# Altium PCB PCB.PcbDoc (part 1 of 4) (continued)
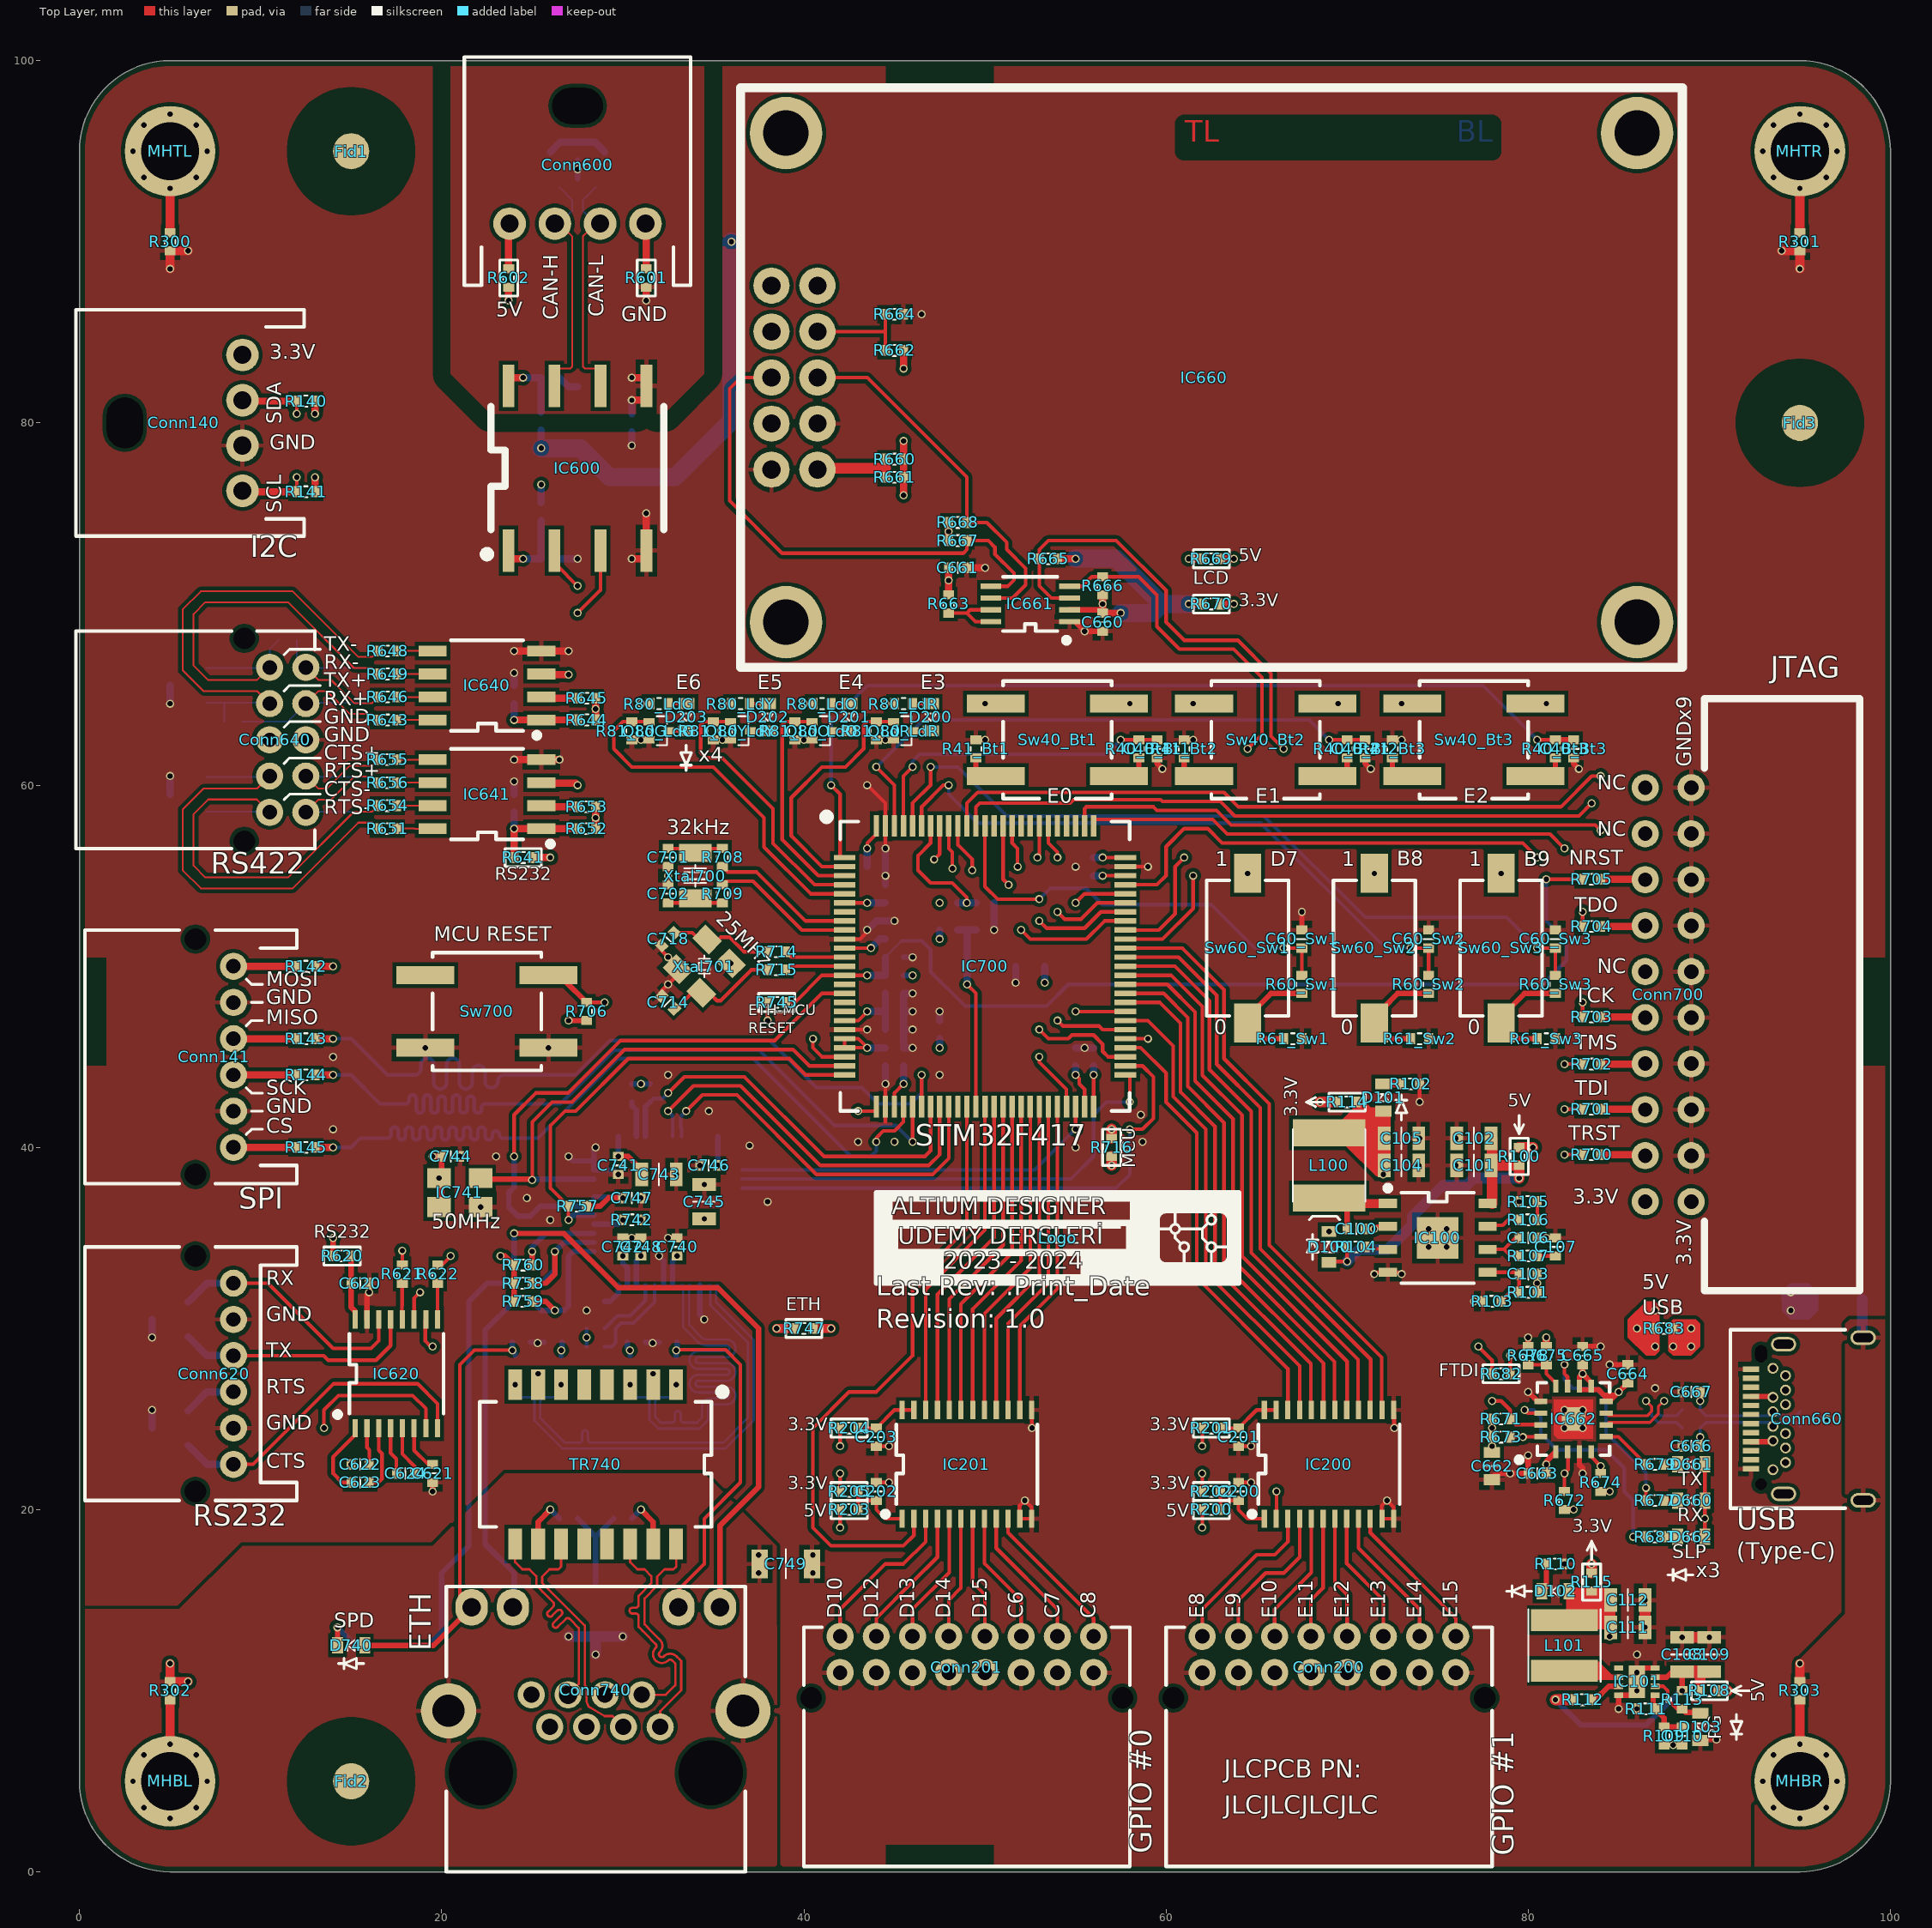
[diagram p0: Top Layer view]
## Components (designator, comment, footprint, x,y, rotation, side; value= is the part's Value field where it differs from the comment) (continued)
C712 "Capacitor_Ceramic" Capacitor_Ceramic_M1005_I0402 45,45.5 r0 bottom value=100nF
C713 "Capacitor_Ceramic" Capacitor_Ceramic_M1005_I0402 45,46.5 r0 bottom value=100nF
C714 "Capacitor_Ceramic" Capacitor_Ceramic_M1005_I0402 32.5,48 r135 top value=16pF
C715 "Capacitor_Ceramic" Capacitor_Ceramic_M1005_I0402 44.5,54 r90 bottom value=100nF
C716 "Capacitor_Ceramic" Capacitor_Ceramic_M1005_I0402 55,45 r90 bottom value=2.2uF
C717 "Capacitor_Ceramic" Capacitor_Ceramic_M1005_I0402 55.5,55 r180 bottom value=2.2uF
C718 "Capacitor_Ceramic" Capacitor_Ceramic_M1005_I0402 32.5,51.5 r225 top value=16pF
C740 "Capacitor_Ceramic" Capacitor_Ceramic_M1005_I0402 33,34.5 r90 top value=100nF
C741 "Capacitor_Ceramic" Capacitor_Ceramic_M1005_I0402 29.75,39 r270 top value=100nF
C742 "Capacitor_Ceramic" Capacitor_Ceramic_M1005_I0402 30,34.5 r90 top value=100nF
C743 "Capacitor_Ceramic" Capacitor_Ceramic_M2012_I0805 32,38.5 r0 top value=10uF
C744 "Capacitor_Ceramic" Capacitor_Ceramic_M1005_I0402 20.5,39.5 r0 top value=100nF
C745 "Capacitor_Ceramic" Capacitor_Ceramic_M2012_I0805 34.5,37 r90 top value=10uF
C746 "Capacitor_Ceramic" Capacitor_Ceramic_M1005_I0402 34.75,39 r180 top value=100nF
C747 "Capacitor_Ceramic" Capacitor_Ceramic_M1005_I0402 30.5,37.2 r0 top value=100nF
C748 "Capacitor_Ceramic" Capacitor_Ceramic_M1005_I0402 31,34.5 r90 top value=100nF
C749 "Capacitor_Ceramic" Capacitor_Ceramic_M3216_I1206 39,17 r180 top value=1nF
C750 "Capacitor_Ceramic" Capacitor_Ceramic_M1005_I0402 32.5,29.25 r0 bottom value=100nF
C751 "Capacitor_Ceramic" Capacitor_Ceramic_M3216_I1206 28.5,14.5 r270 bottom value=1nF
C752 "Capacitor_Ceramic" Capacitor_Ceramic_M1005_I0402 24.4,29.25 r0 bottom value=100nF
C753 "Capacitor_Ceramic" Capacitor_Ceramic_M1005_I0402 30.8,29.25 r0 bottom value=100nF
C754 "Capacitor_Ceramic" Capacitor_Ceramic_M1005_I0402 26.15,29.25 r0 bottom value=100nF
Conn140 "Connector - 4P" "Connector, S04B-XASK-1" 9,80 r90 top locked
Conn141 "Connector - 6P" "Connector, S06B-PASK-2" 8.5,45 r90 top
Conn200 "Connector - 16P" "Connector, S16B-PADSS-1" 69,12 r180 top locked
Conn201 "Connector - 16P" "Connector, S16B-PADSS-1" 49,12 r180 top locked
Conn600 "Connector - 4P" "Connector, S04B-XASK-1" 27.5,91 r0 top locked
Conn620 "Connector - 6P" "Connector, S06B-PASK-2" 8.5,27.5 r90 top
Conn640 "Connector - 10P" "Connector, S10B-PADSS-1" 11.5,62.5 r90 top locked
Conn660 "GCT, USB4056" "GCT, USB4056" 98.5,25 r90 top
Conn700 "Connector - 20P" "Connector - Omron, XG4C-2034" 87.73,48.43 r90 top locked
Conn740 "RJ45 - Amphenol, RJHSE-x38x-A1" "RJ45 - Amphenol, RJHSE-x38x-A1" 28.508,8.889 r0 top locked
D100 "Diode_Schottky" Diode_SOD-523_SC-79 69,34.5 r90 top
D101 "Diode_Led" Diode_Smd_M1608_I0603_Green-Yellow 72,42.75 r90 top
D102 "Diode_Led" Diode_Smd_M1608_I0603_Green-Yellow 81.5,15.5 r180 top
D103 "Diode_Led" Diode_Smd_M1608_I0603_Green-Yellow 89.5,8 r270 top
D200 "Diode_Led" Diode_Smd_M1608_I0603_Red 47,63.75 r270 top
D201 "Diode_Led" Diode_Smd_M1608_I0603_Orange1 42.5,63.75 r270 top
D202 "Diode_Led" Diode_Smd_M1608_I0603_Yellow 38,63.75 r270 top
D203 "Diode_Led" Diode_Smd_M1608_I0603_Green-Yellow 33.5,63.75 r270 top
D600 "Diode_Tvs_2P_Common_Anode" Diode_SOT-723_2P_Common_Anode_Type_1 27.5,93 r0 bottom
D660 "Diode_Led" Diode_Smd_M1608_I0603_Green-Yellow 89,20.5 r180 top
D661 "Diode_Led" Diode_Smd_M1608_I0603_Orange1 89,22.5 r180 top
D662 "Diode_Led" Diode_Smd_M1608_I0603_Red 89,18.5 r180 top
D663 "Diode_Tvs_2P_Common_Anode" Diode_SOT-723_2P_Common_Anode_Type_1 95.5,25 r270 bottom
D740 "Diode_Led" Diode_Smd_M1608_I0603_Orange1 15,12.5 r180 top
Fid1 "Fiducial" "Fiducial - 2mm, 5mm" 15,95 r0 top
Fid2 "Fiducial" "Fiducial - 2mm, 5mm" 15,5 r0 top
Fid3 "Fiducial" "Fiducial - 2mm, 5mm" 95,80 r0 top
Housing300 "Housing" "Housing, PAP-06V-S" 28,108 r180 top
Housing301 "Housing" "Housing, PADP-16V-1-S" 50,-13 r180 top
Housing302 "Housing" "Housing, PADP-16V-1-S" 72,-13 r180 top
Housing303 "Housing" "Housing, PADP-10V-1-S" -12,62 r270 top
Housing304 "Housing" "Housing, PAP-06V-S" -11,28 r270 top
Housing305 "Housing" "Housing, PAP-06V-S" -12,81 r270 top
Housing306 "Housing" "Housing, PAP-06V-S" -11,46 r270 top
IC100 "Richtek, RT2862xSP" "Richtek, RT2862xSP, SOP-8" 75,35 r0 top
IC101 "Diodes, AP3441" "DFN-8, 2mm x 2mm, 0.5mm" 86,10.5 r180 top
IC200 "Nexperia, 74LVC4245A" TSSOP-24 69,22.5 r90 top
IC201 "Nexperia, 74LVC4245A" TSSOP-24 49,22.5 r90 top
IC600 "CAN - Texas, ISO1050DUB" "DIP-8, Gull Wing" 27.5,77.5 r90 top locked
IC620 "RS232 - Texas, TRS3232IPWR" TSSOP-16 17.5,27.5 r90 top
IC640 "RS422 - Texas, SN65HVD30D" "SOIC-8, NB" 22.5,65.5 r180 top
IC641 "RS422 - Texas, SN65HVD30D" "SOIC-8, NB" 22.5,59.5 r180 top
IC660 "Orient, AMC0802BR-B-B6WTDW-I2C" "Orient, AMC0802BR-B-B6WTDW-I2C" 88.51,98.5 r0 top locked
IC661 "Voltage Translator, I2C - Nxp, NVT2002DP" "TSSOP-8, Body 3mm, Pitch 0.65mm" 52.5,70 r180 top
IC662 "FTDI, FT230XQ" "QFN-16, 4mm x 4mm, 0.65mm" 82.5,25 r90 top
IC700 "STM, STM32F417VxTx" "QFP-100, 14mm x 14mm, 0.5mm" 50,50 r0 top locked
IC740 "Ethernet - Texas, DP83848xVV" "QFP-48, 7mm x 7mm, 0.5mm" 32.5,36.5 r180 bottom locked
IC741 "Clock Oscillator - ECS, ECS-2325, ECS-2333" "Clock Oscillator - ECS, ECS-2325, ECS-2333" 21,37.5 r0 top
L100 "Inductor" "Taiyo Yuden - Power Inductor, 5050WK" 69,39 r90 top value=4.7uH
L101 "Inductor" "Taiyo Yuden - Power Inductor, 4040TK" 82,12.5 r90 top value=2.2uH
Logo "Logo" "Logo 1" 54,35 r0 top
MHBL "Mounting Hole" "Mounting Hole - Hole-3.2mm, Pad-5mm" 5,5 r0 top
MHBR "Mounting Hole" "Mounting Hole - Hole-3.2mm, Pad-5mm" 95,5 r0 top
MHTL "Mounting Hole" "Mounting Hole - Hole-3.2mm, Pad-5mm" 5,95 r0 top
MHTR "Mounting Hole" "Mounting Hole - Hole-3.2mm, Pad-5mm" 95,95 r0 top
Pin300 "Pin" "Pin, SPHD-001T-P0.5" 21,120 r0 top
Pin301 "Pin" "Pin, SPHD-001T-P0.5" 25,120 r0 top
Pin302 "Pin" "Pin, SPND-001T-C0.5" 43,-28 r0 top
Pin303 "Pin" "Pin, SPND-001T-C0.5" 45,-28 r0 top
Pin304 "Pin" "Pin, SPND-001T-C0.5" 47,-28 r0 top
Pin305 "Pin" "Pin, SPND-001T-C0.5" 49,-28 r0 top
Pin306 "Pin" "Pin, SPND-001T-C0.5" 65,-28 r0 top
Pin307 "Pin" "Pin, SPND-001T-C0.5" 67,-28 r0 top
Pin308 "Pin" "Pin, SPND-001T-C0.5" 69,-28 r0 top
Pin309 "Pin" "Pin, SPND-001T-C0.5" 71,-28 r0 top
Pin310 "Pin" "Pin, SPND-001T-C0.5" 51,-28 r0 top
Pin311 "Pin" "Pin, SPND-001T-C0.5" 53,-28 r0 top
Pin312 "Pin" "Pin, SPND-001T-C0.5" 55,-28 r0 top
Pin313 "Pin" "Pin, SPND-001T-C0.5" 57,-28 r0 top
Pin314 "Pin" "Pin, SPND-001T-C0.5" 73,-28 r0 top
Pin315 "Pin" "Pin, SPND-001T-C0.5" 75,-28 r0 top
Pin316 "Pin" "Pin, SPND-001T-C0.5" 77,-28 r0 top
Pin317 "Pin" "Pin, SPND-001T-C0.5" 79,-28 r0 top
Pin318 "Pin" "Pin, SPHD-001T-P0.5" 29,120 r0 top
Pin319 "Pin" "Pin, SPHD-001T-P0.5" 33,120 r0 top
Pin320 "Pin" "Pin, SPND-001T-C0.5" 43,-37 r0 top
Pin321 "Pin" "Pin, SPND-001T-C0.5" 45,-37 r0 top
Pin322 "Pin" "Pin, SPND-001T-C0.5" 47,-37 r0 top
Pin323 "Pin" "Pin, SPND-001T-C0.5" 49,-37 r0 top
Pin324 "Pin" "Pin, SPND-001T-C0.5" 65,-37 r0 top
Pin325 "Pin" "Pin, SPND-001T-C0.5" 67,-37 r0 top
Pin326 "Pin" "Pin, SPND-001T-C0.5" 69,-37 r0 top
Pin327 "Pin" "Pin, SPND-001T-C0.5" 71,-37 r0 top
Pin328 "Pin" "Pin, SPND-001T-C0.5" 55,-37 r0 top
Pin329 "Pin" "Pin, SPND-001T-C0.5" 79,-37 r0 top
Pin330 "Pin" "Pin, SPND-001T-C0.5" 51,-37 r0 top
Pin331 "Pin" "Pin, SPND-001T-C0.5" 53,-37 r0 top
Pin332 "Pin" "Pin, SPND-001T-C0.5" 57,-37 r0 top
Pin333 "Pin" "Pin, SPND-001T-C0.5" 73,-37 r0 top
Pin334 "Pin" "Pin, SPND-001T-C0.5" 75,-37 r0 top
Pin335 "Pin" "Pin, SPND-001T-C0.5" 77,-37 r0 top
Pin336 "Pin" "Pin, SPND-001T-C0.5" -25,68 r270 top
Pin337 "Pin" "Pin, SPND-001T-C0.5" -25,65 r270 top
Pin338 "Pin" "Pin, SPND-001T-C0.5" -25,62 r270 top
Pin339 "Pin" "Pin, SPHD-001T-P0.5" -25,31 r90 top
Pin340 "Pin" "Pin, SPHD-001T-P0.5" -25,28 r90 top
Pin341 "Pin" "Pin, SPHD-001T-P0.5" -25,25 r90 top
Pin342 "Pin" "Pin, SPHD-001T-P0.5" -34,25 r90 top
Pin343 "Pin" "Pin, SPND-001T-C0.5" -25,59 r270 top
Pin344 "Pin" "Pin, SPND-001T-C0.5" -25,56 r270 top
Pin345 "Pin" "Pin, SPND-001T-C0.5" -34,68 r270 top
Pin346 "Pin" "Pin, SPHD-001T-P0.5" -34,31 r90 top
Pin347 "Pin" "Pin, SPHD-001T-P0.5" -34,28 r90 top
Pin348 "Pin" "Pin, SPND-001T-C0.5" -34,65 r270 top
Pin349 "Pin" "Pin, SPND-001T-C0.5" -34,62 r270 top
Pin350 "Pin" "Pin, SPND-001T-C0.5" -34,59 r270 top
Pin351 "Pin" "Pin, SPND-001T-C0.5" -34,56 r270 top
Pin352 "Pin" "Pin, SPHD-001T-P0.5" -25,86 r90 top
Pin353 "Pin" "Pin, SPHD-001T-P0.5" -25,83 r90 top
Pin354 "Pin" "Pin, SPHD-001T-P0.5" -25,49 r90 top
Pin355 "Pin" "Pin, SPHD-001T-P0.5" -25,46 r90 top
Pin356 "Pin" "Pin, SPHD-001T-P0.5" -25,77 r90 top
Pin357 "Pin" "Pin, SPHD-001T-P0.5" -25,80 r90 top
Pin358 "Pin" "Pin, SPHD-001T-P0.5" -25,43 r90 top
Pin359 "Pin" "Pin, SPHD-001T-P0.5" -34,49 r90 top
Pin360 "Pin" "Pin, SPHD-001T-P0.5" -34,43 r90 top
Pin361 "Pin" "Pin, SPHD-001T-P0.5" -34,46 r90 top
Q80_LdG "Mosfet, N-Channel" "SOT-416FL, Mosfet - Type 1" 32,63 r270 top (schematic designator Q80)
Q80_LdO "Mosfet, N-Channel" "SOT-416FL, Mosfet - Type 1" 41,63 r270 top (schematic designator Q80)
Q80_LdR "Mosfet, N-Channel" "SOT-416FL, Mosfet - Type 1" 45.5,63 r270 top (schematic designator Q80)
Q80_LdY "Mosfet, N-Channel" "SOT-416FL, Mosfet - Type 1" 36.5,63 r270 top (schematic designator Q80)
R40_Bt1 "Resistor" Resistor_Smd_M1005_I0402 58.5,62 r90 top value=1K (schematic designator R40)
R40_Bt2 "Resistor" Resistor_Smd_M1005_I0402 70,62 r90 top value=1K (schematic designator R40)
R40_Bt3 "Resistor" Resistor_Smd_M1005_I0402 81.5,62 r90 top value=1K (schematic designator R40)
R41_Bt1 "Resistor" Resistor_Smd_M1005_I0402 49.5,62 r90 top value=100K (schematic designator R41)
R41_Bt2 "Resistor" Resistor_Smd_M1005_I0402 61,62 r90 top value=100K (schematic designator R41)
R41_Bt3 "Resistor" Resistor_Smd_M1005_I0402 72.5,62 r90 top value=100K (schematic designator R41)
R60_Sw1 "Resistor" Resistor_Smd_M1005_I0402 67.5,49 r90 top value=1K (schematic designator R60)
R60_Sw2 "Resistor" Resistor_Smd_M1005_I0402 74.5,49 r90 top value=1K (schematic designator R60)
R60_Sw3 "Resistor" Resistor_Smd_M1005_I0402 81.5,49 r90 top value=1K (schematic designator R60)
R61_Sw1 "Resistor" Resistor_Smd_M1005_I0402 67,46 r0 top value=100K (schematic designator R61)
R61_Sw2 "Resistor" Resistor_Smd_M1005_I0402 74,46 r0 top value=100K (schematic designator R61)
R61_Sw3 "Resistor" Resistor_Smd_M1005_I0402 81,46 r0 top value=100K (schematic designator R61)
R80_LdG "Resistor" Resistor_Smd_M1005_I0402 32,64.5 r0 top value=330R (schematic designator R80)
R80_LdO "Resistor" Resistor_Smd_M1005_I0402 41,64.5 r0 top value=330R (schematic designator R80)
R80_LdR "Resistor" Resistor_Smd_M1005_I0402 45.5,64.5 r0 top value=330R (schematic designator R80)
R80_LdY "Resistor" Resistor_Smd_M1005_I0402 36.5,64.5 r0 top value=330R (schematic designator R80)
R81_LdG "Resistor" Resistor_Smd_M1005_I0402 30.5,63 r270 top value=100K (schematic designator R81)
R81_LdO "Resistor" Resistor_Smd_M1005_I0402 39.5,63 r270 top value=100K (schematic designator R81)
R81_LdR "Resistor" Resistor_Smd_M1005_I0402 44,63 r270 top value=100K (schematic designator R81)
R81_LdY "Resistor" Resistor_Smd_M1005_I0402 35,63 r270 top value=100K (schematic designator R81)
R100 "Resistor" Resistor_Smd_M1005_I0402 79.5,39.5 r270 top value=0R
R101 "Resistor" Resistor_Smd_M1005_I0402 80,32 r180 top value=75K
R102 "Resistor" Resistor_Smd_M1005_I0402 73.5,43.5 r0 top value=1K
R103 "Resistor" Resistor_Smd_M1005_I0402 78,31.5 r180 top value=24K
R104 "Resistor" Resistor_Smd_M1005_I0402 70.5,34.5 r0 top value=150K
R105 "Resistor" Resistor_Smd_M1005_I0402 80,37 r0 top value=56K
R106 "Resistor" Resistor_Smd_M1005_I0402 80,36 r180 top value=56K
R107 "Resistor" Resistor_Smd_M1005_I0402 80,34 r0 top value=16K
R108 "Resistor" Resistor_Smd_M1005_I0402 90,10 r180 top value=0R
R109 "Resistor" Resistor_Smd_M1005_I0402 87.5,7.5 r90 top value=453K
R110 "Resistor" Resistor_Smd_M1005_I0402 81.5,17 r0 top value=1K
R111 "Resistor" Resistor_Smd_M1005_I0402 86.5,9 r180 top value=100K
R112 "Resistor" Resistor_Smd_M1005_I0402 83,9.5 r0 top value=0R
R113 "Resistor" Resistor_Smd_M1005_I0402 88.5,9.5 r270 top value=1K
R114 "Resistor" Resistor_Smd_M1005_I0402 70,42.5 r180 top value=0R
R115 "Resistor" Resistor_Smd_M1005_I0402 83.5,16 r90 top value=0R
R140 "Resistor" Resistor_Smd_M1005_I0402 12.5,81.2 r180 top value=2.2K
R141 "Resistor" Resistor_Smd_M1005_I0402 12.5,76.2 r180 top value=2.2K
R142 "Resistor" Resistor_Smd_M1005_I0402 12.5,50 r0 top value=330R
R143 "Resistor" Resistor_Smd_M1005_I0402 12.5,46 r0 top value=330R
R144 "Resistor" Resistor_Smd_M1005_I0402 12.5,44 r0 top value=330R
R145 "Resistor" Resistor_Smd_M1005_I0402 12.5,40 r0 top value=330R
R200 "Resistor" Resistor_Smd_M1005_I0402 62.5,20 r180 top value=0R
R201 "Resistor" Resistor_Smd_M1005_I0402 62.5,24.5 r0 top value=0R
R202 "Resistor" Resistor_Smd_M1005_I0402 62.5,21 r180 top value=0R
R203 "Resistor" Resistor_Smd_M1005_I0402 42.5,20 r180 top value=0R
R204 "Resistor" Resistor_Smd_M1005_I0402 42.5,24.5 r0 top value=0R
R205 "Resistor" Resistor_Smd_M1005_I0402 42.5,21 r180 top value=0R
R300 "Resistor" Resistor_Smd_M1005_I0402 5,90 r270 top value=0R
R301 "Resistor" Resistor_Smd_M1005_I0402 95,90 r90 top value=0R
R302 "Resistor" Resistor_Smd_M1005_I0402 5,10 r90 top value=0R
R303 "Resistor" Resistor_Smd_M1005_I0402 95,10 r270 top value=0R
R600 "Resistor" Resistor_Smd_M1005_I0402 25.5,75.1 r270 bottom value=0R
R601 "Resistor" Resistor_Smd_M1005_I0402 31.3,88 r90 top value=0R
R602 "Resistor" Resistor_Smd_M1005_I0402 23.7,88 r90 top value=0R
R603 "Resistor" Resistor_Smd_M1005_I0402 25.5,80.1 r90 bottom value=0R
R604 "Resistor" Resistor_Smd_M1005_I0402 30.5,80 r90 bottom value=0R
R605 "Resistor" Resistor_Smd_M2012_I0805 26,94 r90 bottom value=60.4R
R606 "Resistor" Resistor_Smd_M2012_I0805 29,94 r270 bottom value=60.4R
R620 "Resistor" Resistor_Smd_M1005_I0402 14.5,34 r0 top value=0R
R621 "Resistor" Resistor_Smd_M1005_I0402 17.825,33 r270 top value=330R
R622 "Resistor" Resistor_Smd_M1005_I0402 19.775,33 r270 top value=330R
R640 "Resistor" Resistor_Smd_M2012_I0805 14.5,65.5 r90 bottom value=60.4R
R641 "Resistor" Resistor_Smd_M1005_I0402 24.5,56 r180 top value=0R
R642 "Resistor" Resistor_Smd_M2012_I0805 8.5,65.5 r90 bottom value=60.4R
R643 "Resistor" Resistor_Smd_M1005_I0402 17,63.595 r180 top value=22R
R644 "Resistor" Resistor_Smd_M1005_I0402 28,63.6 r180 top value=10K
R645 "Resistor" Resistor_Smd_M1005_I0402 28,64.8 r180 top value=330R
R646 "Resistor" Resistor_Smd_M1005_I0402 17,64.865 r180 top value=22R
R647 "Resistor" Resistor_Smd_M2012_I0805 8.5,59.5 r270 bottom value=60.4R
R648 "Resistor" Resistor_Smd_M1005_I0402 17,67.405 r180 top value=22R
R649 "Resistor" Resistor_Smd_M1005_I0402 17,66.135 r180 top value=22R
R650 "Resistor" Resistor_Smd_M2012_I0805 14.5,59.5 r270 bottom value=60.4R
R651 "Resistor" Resistor_Smd_M1005_I0402 17,57.595 r180 top value=22R
R652 "Resistor" Resistor_Smd_M1005_I0402 28,57.6 r180 top value=10K
R653 "Resistor" Resistor_Smd_M1005_I0402 28,58.8 r180 top value=330R
R654 "Resistor" Resistor_Smd_M1005_I0402 17,58.865 r180 top value=22R
R655 "Resistor" Resistor_Smd_M1005_I0402 17,61.405 r180 top value=22R
R656 "Resistor" Resistor_Smd_M1005_I0402 17,60.135 r180 top value=22R
R657 "Resistor" Resistor_Smd_M1005_I0402 8.5,63.5 r180 bottom value=0R
R658 "Resistor" Resistor_Smd_M1005_I0402 11.5,68 r180 bottom value=0R
R660 "Resistor" Resistor_Smd_M1005_I0402 45,78 r0 top value=330R
R661 "Resistor" Resistor_Smd_M1005_I0402 45,77 r0 top value=330R
R662 "Resistor" Resistor_Smd_M1005_I0402 45,84 r180 top value=10K
R663 "Resistor" Resistor_Smd_M1005_I0402 48,70 r90 top value=200K
R664 "Resistor" Resistor_Smd_M1005_I0402 45,86 r0 top value=10K
R665 "Resistor" Resistor_Smd_M1005_I0402 53.5,72.5 r180 top value=10K
R666 "Resistor" Resistor_Smd_M1005_I0402 56.5,71 r90 top value=10K
R667 "Resistor" Resistor_Smd_M1005_I0402 48.5,73.5 r0 top value=10K
R668 "Resistor" Resistor_Smd_M1005_I0402 48.5,74.5 r0 top value=10K
R669 "Resistor" Resistor_Smd_M1005_I0402 62.5,72.5 r180 top value=0R
R670 "Resistor" Resistor_Smd_M1005_I0402 62.5,70 r180 top value=0R
R671 "Resistor" Resistor_Smd_M1005_I0402 78.5,25 r0 top value=4.7K
R672 "Resistor" Resistor_Smd_M1005_I0402 82,20.5 r90 top value=4.7K
R673 "Resistor" Resistor_Smd_M1005_I0402 78.5,24 r0 top value=4.7K
R674 "Resistor" Resistor_Smd_M1005_I0402 84,21.5 r90 top value=4.7K
R675 "Resistor" Resistor_Smd_M1005_I0402 81,28.5 r270 top value=4.7K
R676 "Resistor" Resistor_Smd_M1005_I0402 89,25.5 r180 bottom value=22R
R677 "Resistor" Resistor_Smd_M1005_I0402 87,20.5 r0 top value=330R
R678 "Resistor" Resistor_Smd_M1005_I0402 80,28.5 r90 top value=10K
R679 "Resistor" Resistor_Smd_M1005_I0402 87,22.5 r0 top value=330R
R680 "Resistor" Resistor_Smd_M1005_I0402 89,24.5 r180 bottom value=22R
R681 "Resistor" Resistor_Smd_M1005_I0402 87,18.5 r0 top value=330R
R682 "Resistor" Resistor_Smd_M1005_I0402 78.5,27.5 r0 top value=0R
R683 "Resistor" Resistor_Smd_M1005_I0402 87.5,30 r180 top value=0R
R700 "Resistor" Resistor_Smd_M1005_I0402 83.5,39.6 r0 top value=22R
R701 "Resistor" Resistor_Smd_M1005_I0402 83.5,42.1 r0 top value=22R
R702 "Resistor" Resistor_Smd_M1005_I0402 83.5,44.6 r0 top value=22R
R703 "Resistor" Resistor_Smd_M1005_I0402 83.5,47.2 r0 top value=22R
R704 "Resistor" Resistor_Smd_M1005_I0402 83.5,52.2 r0 top value=22R
R705 "Resistor" Resistor_Smd_M1005_I0402 83.5,54.8 r0 top value=22R
R706 "Resistor" Resistor_Smd_M1005_I0402 28,47.5 r90 top value=10K
R707 "Resistor" Resistor_Smd_M1005_I0402 45,49.5 r180 bottom value=1K
R708 "Resistor" Resistor_Smd_M1005_I0402 35.5,56 r90 top value=0R
R709 "Resistor" Resistor_Smd_M1005_I0402 35.5,54 r270 top value=0R
R710 "Resistor" Resistor_Smd_M1005_I0402 48,53.5 r180 bottom value=0R
R711 "Resistor" Resistor_Smd_M1005_I0402 48,52 r180 bottom value=0R
R712 "Resistor" Resistor_Smd_M1005_I0402 50,53.5 r180 bottom value=0R
R713 "Resistor" Resistor_Smd_M1005_I0402 50,52 r180 bottom value=0R
R714 "Resistor" Resistor_Smd_M1005_I0402 38.5,50.8 r180 top value=0R
R715 "Resistor" Resistor_Smd_M1005_I0402 38.5,49.8 r180 top value=0R
R716 "Resistor" Resistor_Smd_M1005_I0402 57,40 r90 top value=0R
R740 "Resistor" Resistor_Smd_M1005_I0402 31.5,43 r270 bottom value=2.2K
R741 "Resistor" Resistor_Smd_M1005_I0402 30.5,43 r270 bottom value=2.2K
R742 "Resistor" Resistor_Smd_M1005_I0402 30.5,36 r180 top value=10K
R743 "Resistor" Resistor_Smd_M1005_I0402 28.5,29 r0 bottom value=2.2K
R744 "Resistor" Resistor_Smd_M1005_I0402 28.5,30 r0 bottom value=2.2K
R745 "Resistor" Resistor_Smd_M1005_I0402 38.5,48 r180 top value=0R
R746 "Resistor" Resistor_Smd_M1005_I0402 28.5,31.5 r180 bottom value=4.87K
R747 "Resistor" Resistor_Smd_M1005_I0402 40,30 r180 top value=0R
R748 "Resistor" Resistor_Smd_M1005_I0402 24.5,32.5 r0 bottom value=330R
R749 "Resistor" Resistor_Smd_M1005_I0402 24.5,31.5 r0 bottom value=330R
R750 "Resistor" Resistor_Smd_M1005_I0402 32.945,28 r90 bottom value=51R
R751 "Resistor" Resistor_Smd_M1005_I0402 30.405,28 r270 bottom value=51R
R752 "Resistor" Resistor_Smd_M1005_I0402 24.5,33.5 r0 bottom value=330R
R753 "Resistor" Resistor_Smd_M1005_I0402 26.595,28 r90 bottom value=51R
R754 "Resistor" Resistor_Smd_M1005_I0402 24.055,28 r270 bottom value=51R
R755 "Resistor" Resistor_Smd_M1005_I0402 27,19.5 r0 bottom value=75R
R756 "Resistor" Resistor_Smd_M1005_I0402 30,19.5 r180 bottom value=75R
R757 "Resistor" Resistor_Smd_M1005_I0402 27.5,36.75 r180 top value=1.5K
R758 "Resistor" Resistor_Smd_M1005_I0402 24.5,32.5 r0 top value=2.2K
R759 "Resistor" Resistor_Smd_M1005_I0402 24.5,31.5 r0 top value=2.2K
R760 "Resistor" Resistor_Smd_M1005_I0402 24.5,33.5 r0 top value=2.2K
Sw40_Bt1 "Tactile, SPST" "Tactile, SPST - Panasonic, EVQQ2" 54,62.5 r180 top (schematic designator Sw40)
Sw40_Bt2 "Tactile, SPST" "Tactile, SPST - Panasonic, EVQQ2" 65.5,62.5 r180 top (schematic designator Sw40)
Sw40_Bt3 "Tactile, SPST" "Tactile, SPST - Panasonic, EVQQ2" 77,62.5 r180 top (schematic designator Sw40)
Sw60_Sw1 "Slide, SPST" "Slide, SPST - C&K, SDA01HxS" 64.5,51 r0 top (schematic designator Sw60)
Sw60_Sw2 "Slide, SPST" "Slide, SPST - C&K, SDA01HxS" 71.5,51 r0 top (schematic designator Sw60)
Sw60_Sw3 "Slide, SPST" "Slide, SPST - C&K, SDA01HxS" 78.5,51 r0 top (schematic designator Sw60)
Sw700 "Tactile, SPST" "Tactile, SPST - Panasonic, EVQQ2" 22.5,47.5 r180 top
TR740 "Transformer, Pulse - Bourns, SM13126PEL" "Transformer, Pulse - Bourns, SM13126PEL" 28.5,22.5 r270 top locked
TVS620 "Diode_Tvs_2P_Bidirectional" Diode_SOT-23-3_2P_Bidirectional_Type_1 5,30.5 r90 bottom
TVS621 "Diode_Tvs_2P_Bidirectional" Diode_SOT-23-3_2P_Bidirectional_Type_1 5,24.5 r90 bottom
TVS640 "Diode_Tvs_2P_Bidirectional" Diode_SOT-23-3_2P_Bidirectional_Type_1 17,59.5 r270 bottom
TVS641 "Diode_Tvs_2P_Bidirectional" Diode_SOT-23-3_2P_Bidirectional_Type_1 6,65.5 r90 bottom
TVS642 "Diode_Tvs_2P_Bidirectional" Diode_SOT-23-3_2P_Bidirectional_Type_1 17,65.46 r270 bottom
TVS643 "Diode_Tvs_2P_Bidirectional" Diode_SOT-23-3_2P_Bidirectional_Type_1 6,59.5 r90 bottom
Xtal700 "Crystal" "NDK, NX3215SA" 34,55 r90 top
Xtal701 "Crystal, Two Gnd Pins" "Kyocera, CX3225SB" 34.5,50 r45 top

## Footprints (in the part's own frame and the unit in brackets; to place one, negate y for a bottom-side part, rotate by r counter-clockwise, add the part's x,y. Pads: shape width x height; smd on the part's side, far side on the other; paste and mask are expansions set on the pad)
Capacitor_Ceramic_M1005_I0402 [mm] "Capacitor_Ceramic_M1005_I0402"
  rect 0.5x0.6 smd mask+0.05: 1(-0.5,0) 2(0.5,0)
  silkscreen extent 0,-0.3 0,0.3, body extent -0.6,-0.26 0.6,0.26, height 0.51
Capacitor_Ceramic_M1608_I0603 [mm] "Capacitor_Ceramic_M1608_I0603"
  rect 0.6x0.9 smd mask+0.05: 1(-0.75,0) 2(0.75,0)
  silkscreen extent 0,-0.4 0,0.4, body extent -0.93,-0.41 0.93,0.41, height 0.81
Capacitor_Ceramic_M2012_I0805 [mm] "Capacitor_Ceramic_M2012_I0805"
  rect 0.7x1.3 smd mask+0.05: 1(-0.95,0) 2(0.95,0)
  silkscreen extent 0,-0.6 0,0.6, body extent -1.09,-0.64 1.09,0.64, height 1.26
Capacitor_Ceramic_M3216_I1206 [mm] "Capacitor_Ceramic_M3216_I1206"
  rect 0.9x1.6 smd mask+0.05: 1(-1.45,0) 2(1.45,0)
  silkscreen extent 0,-0.8 0,0.8, body extent -1.75,-0.81 1.75,0.81, height 1.61
"Clock Oscillator - ECS, ECS-2325, ECS-2333" [mm] "Clock Oscillator - ECS, ECS-2325, ECS-2333"
  rect 1.3x1.1 smd mask+0.05: EN(-1.15,-0.8) GND(1.15,-0.8) OUT(1.15,0.8) VDD(-1.15,0.8)
  body extent -1.6,-1.25 1.6,1.25, height 1
"Connector - Omron, XG4C-2034" [mm] "Connector - Omron, XG4C-2034"
  round 1.5 hole 0.8 mask+0.05: 1(-11.43,1.27) 2(-11.43,-1.27) 3(-8.89,1.27) 4(-8.89,-1.27) 5(-6.35,1.27) 6(-6.35,-1.27) 7(-3.81,1.27) 8(-3.81,-1.27) 9(-1.27,1.27) 10(-1.27,-1.27) 11(1.27,1.27) 12(1.27,-1.27) 13(3.81,1.27) 14(3.81,-1.27) 15(6.35,1.27) 16(6.35,-1.27) 17(8.89,1.27) 18(8.89,-1.27) 19(11.43,1.27) 20(11.43,-1.27)
  silkscreen extent -16.35,-10.57 16.35,-2, body extent -16.36,-10.54 16.36,1.58, height 8.5
"Connector, S04B-XASK-1" [mm] "Connector, S04B-XASK-1"
  round 1.8 hole 1 mask+0.05: 1(3.75,0) 2(1.25,0) 3(-1.25,0) 4(-3.75,0)
  round 0 hole 2 slot 2.8 at 0 deg unplated mask+0.05: 8-VIN(0,6.5)
  silkscreen extent -6.25,-3.4 6.25,9.2, body extent -6.25,-3.4 6.25,9.2, height 7.6
"Connector, S06B-PASK-2" [mm] "Connector, S06B-PASK-2"
  round 1.5 hole 0.8 mask+0.05: 1(5,0) 2(3,0) 3(1,0) 4(-1,0) 5(-3,0) 6(-5,0)
  round 0 hole 1.2 unplated mask+0.05: 8-VIN(-6.5,2.1) 8-VIN(6.5,2.1)
  silkscreen extent -7,-3.5 7,8.2, body extent -7,-3.49 7,8.21, height 6.5
"Connector, S10B-PADSS-1" [mm] "Connector, S10B-PADSS-1"
  round 1.5 hole 0.8 mask+0.05: 1(4,-1) 2(4,1) 3(2,-1) 4(2,1) 5(0,-1) 6(0,1) 7(-2,-1) 8(-2,1) 9(-4,-1) 10(-4,1)
  round 0 hole 1.2 unplated mask+0.05: 8-VIN(-5.6,2.4) 8-VIN(5.6,2.4)
  silkscreen extent -6,-1.5 6,11.7, body extent -6,-1.5 6,11.7, height 10.5
"Connector, S16B-PADSS-1" [mm] "Connector, S16B-PADSS-1"
  round 1.5 hole 0.8 mask+0.05: 1(7,-1) 2(7,1) 3(5,-1) 4(5,1) 5(3,-1) 6(3,1) 7(1,-1) 8(1,1) 9(-1,-1) 10(-1,1) 11(-3,-1) 12(-3,1) 13(-5,-1) 14(-5,1) 15(-7,-1) 16(-7,1)
  round 0 hole 1.2 unplated mask+0.05: 8-VIN(-8.6,2.4) 8-VIN(8.6,2.4)
  silkscreen extent -9,-1.5 9,11.7, body extent -9.01,-1.51 8.99,11.69, height 10.35
"DFN-8, 2mm x 2mm, 0.5mm" [mm] "DFN-8, 2mm x 2mm, 0.5mm"
  rect 0.5x0.3 smd mask+0.05: 1(-1,0.75) 2(-1,0.25) 3(-1,-0.25) 4(-1,-0.75) 5(1,-0.75) 6(1,-0.25) 7(1,0.25) 8(1,0.75)
  rect 0.9x1.8 smd paste-0.25 mask+0.05: EP(0,0)
  body extent -1.01,-1 1.01,1, height 0.95
Diode_Smd_M1608_I0603_Green-Yellow [mm] "Diode_Smd_M1608_I0603_Green-Yellow"
  rect 0.6x0.9 smd mask+0.05: A(-0.75,0) C(0.75,0)
  silkscreen extent -0.2,-0.3 0.2,0.3, body extent -0.8,-0.4 0.8,0.4, height 0.7
Diode_Smd_M1608_I0603_Orange1 [mm] "Diode_Smd_M1608_I0603_Orange1"
  rect 0.6x0.9 smd mask+0.05: A(-0.75,0) C(0.75,0)
  silkscreen extent -0.2,-0.3 0.2,0.3, body extent -0.8,-0.4 0.8,0.4, height 0.7
Diode_Smd_M1608_I0603_Red [mm] "Diode_Smd_M1608_I0603_Red"
  rect 0.6x0.9 smd mask+0.05: A(-0.75,0) C(0.75,0)
  silkscreen extent -0.2,-0.3 0.2,0.3, body extent -0.8,-0.4 0.8,0.4, height 0.7
Diode_Smd_M1608_I0603_Yellow [mm] "Diode_Smd_M1608_I0603_Yellow"
  rect 0.6x0.9 smd mask+0.05: A(-0.75,0) C(0.75,0)
  silkscreen extent -0.2,-0.3 0.2,0.3, body extent -0.8,-0.4 0.8,0.4, height 0.7
Diode_SOD-523_SC-79 [mm] "Diode_SOD-523_SC-79"
  rect 0.6x0.8 smd mask+0.05: A(-0.85,0) C(0.85,0)
  silkscreen extent -0.3,-0.3 0.3,0.3, body extent -0.82,-0.43 0.82,0.43, height 0.66
Diode_SOT-23-3_2P_Bidirectional_Type_1 [mm] "Diode_SOT-23-3_2P_Bidirectional_Type_1"
  rect 0.8x0.8 smd mask+0.05: Common(0,-1) D1(-0.96,1) D2(0.96,1)
  silkscreen extent -1.4,-0.6 1.4,0.6, body extent -1.46,-1.23 1.46,1.25, height 1.03
Diode_SOT-723_2P_Common_Anode_Type_1 [mm] "Diode_SOT-723_2P_Common_Anode_Type_1"
  rect 0.36x0.52 smd mask+0.05: A(0,-0.49)
  rect 0.27x0.52 smd mask+0.05: C1(-0.4,0.49) C2(0.4,0.49)
  silkscreen extent -0.6,-0.4 0.6,0.4, body extent -0.63,-0.53 0.63,0.53, height 0.45
"DIP-8, Gull Wing" [mm] "DIP-8, Gull Wing"
  rect 2.35x0.65 smd mask+0.05: 1(-4.55,3.81) 2(-4.55,1.27) 3(-4.55,-1.27) 4(-4.55,-3.81) 5(4.55,-3.81) 6(4.55,-1.27) 7(4.55,1.27) 8(4.55,3.81)
  silkscreen extent -3.4,-4.77 3.4,4.77, body extent -4.95,-4.95 4.95,4.95, height 4.35
"Fiducial - 2mm, 5mm" [mm] "Fiducial - 2mm, 5mm"
  round 2 smd paste-3 mask+1.5: TP(0,0)
  Top Layer pour cut-out: 2.5,2.5 0.915,3.415 -0.915,3.415 -2.5,2.5 -2.5,2.5 -3.266,1.353 -3.536,0 -3.266,-1.353 -2.5,-2.5 -2.5,-2.5 -1.353,-3.266 0,-3.536 1.353,-3.266 2.5,-2.5 2.5,-2.5 3.415,-0.915 3.415,0.915 2.5,2.5
"GCT, USB4056" [mm] "GCT, USB4056"
  rect 0.3x0.9 smd mask+0.05: A1(-2.75,6.2) A2(-2.25,6.2) A3(-1.75,6.2) A4(-1.25,6.2) A5(-0.75,6.2) A6(-0.25,6.2) A7(0.25,6.2) A8(0.75,6.2) A9(1.25,6.2) A10(1.75,6.2) A11(2.25,6.2) A12(2.75,6.2)
  round 0.6 hole 0.4 mask+0.05: B1(2.8,4.99) B2(2.4,4.29) B3(1.6,4.29) B4(1.2,4.99) B5(0.8,4.29) B6(0.4,4.99) B7(-0.4,4.99) B8(-0.8,4.29) B9(-1.2,4.99) B10(-1.6,4.29) B11(-2.4,4.29) B12(-2.8,4.99)
  round 0 hole 0.65 unplated mask+0.05: Hole1(-3.6,5.64)
  round 0 hole 0.65 slot 0.95 at 0 deg unplated mask+0.05: Hole2(3.6,5.64)
  oval 0.8x1.4 hole 0.5 slot 1.1 at 90 deg mask+0.05: Shell1(-4.13,4.4) Shell2(4.13,4.4) Shell3(-4.49,0) Shell4(4.49,0)
  silkscreen extent -4.92,1 4.92,7.34, body extent -4.93,-2.52 4.92,7.35, height 3.33
"Housing, PADP-10V-1-S" [mm] "Housing, PADP-10V-1-S"
  body extent -6,-5.5 6,5.5, height 9.2
"Housing, PADP-16V-1-S" [mm] "Housing, PADP-16V-1-S"
  body extent -9,-5.5 9,5.5, height 9.2
"Housing, PAP-06V-S" [mm] "Housing, PAP-06V-S"
  body extent -7,-4 7,4, height 5
"Kyocera, CX3225SB" [mm] "Kyocera, CX3225SB"
  rect 1.05x1.3 smd mask+0.05: 1(-1.15,-0.925) 2(1.15,0.925) GND1(-1.15,0.925) GND2(1.15,-0.925)
  silkscreen extent -0.49,-0.49 0.49,0.49, body extent -1.6,-1.25 1.6,1.25, height 0.55
"Logo 1" [mm] "Logo 1"
  silkscreen extent -10,-2.5 10,2.5
"Mounting Hole - Hole-3.2mm, Pad-5mm" [mm] "Mounting Hole - Hole-3.2mm, Pad-5mm"
  round 0.6 hole 0.3 mask+0.05: Hole(-2.05,0) Hole(-1.45,-1.45) Hole(-1.45,1.45) Hole(0,-2.05) Hole(0,2.05) Hole(1.45,-1.45) Hole(1.45,1.45) Hole(2.05,0)
  round 5 hole 3.2 mask+0.05: Hole(0,0)
"NDK, NX3215SA" [mm] "NDK, NX3215SA"
  rect 1x1.8 smd mask+0.05: 1(-1.25,0) 2(1.25,0)
  silkscreen extent -0.6,-0.6 0.6,0.6, body extent -1.65,-0.8 1.65,0.8, height 0.89
"Orient, AMC0802BR-B-B6WTDW-I2C" [mm] "Orient, AMC0802BR-B-B6WTDW-I2C"
  round 4 hole 2.5 mask+0.05: Hole-BL(-49.5,-29.5) Hole-BR(-2.5,-29.5) Hole-TL(-49.5,-2.5) Hole-TR(-2.5,-2.5)
  round 2 hole 1 mask+0.05: LED+(-47.76,-21.08) LED-(-50.3,-21.08) NC-8(-50.3,-13.46) NC-9(-47.76,-10.92) NC-10(-50.3,-10.92) SCL(-50.3,-16) SDA(-47.76,-16) V0(-47.76,-13.46) VDD(-50.3,-18.54) VSS(-47.76,-18.54)
  silkscreen extent -52,-32 0,0, body extent -55,-32 3,0, height 9.5
"Pin, SPHD-001T-P0.5" [mm] "Pin, SPHD-001T-P0.5"
  body extent -1.1,-3.6 1.1,3, height 2.55
"Pin, SPND-001T-C0.5" [mm] "Pin, SPND-001T-C0.5"
  body extent -1.1,-3.6 1.1,3.9, height 2.7
"QFN-16, 4mm x 4mm, 0.65mm" [mm] "QFN-16, 4mm x 4mm, 0.65mm"
  rect 0.72x0.3 smd mask+0.05: 1(-1.81,0.975) 2(-1.81,0.325) 3(-1.81,-0.325) 4(-1.81,-0.975) 9(1.81,-0.975) 10(1.81,-0.325) 11(1.81,0.325) 12(1.81,0.975)
  rect 0.3x0.72 smd mask+0.05: 5(-0.975,-1.81) 6(-0.325,-1.81) 7(0.325,-1.81) 8(0.975,-1.81) 13(0.975,1.81) 14(0.325,1.81) 15(-0.325,1.81) 16(-0.975,1.81)
  rect 1.3x1.3 smd mask+0.05: EP(0,0)
  Top Layer region: -1.075,0.875 -0.875,1.075 1.075,1.075 1.075,-1.075 -1.075,-1.075
  silkscreen extent -2,-2 2,2, body extent -2,-2 2,2, height 0.92
"QFP-48, 7mm x 7mm, 0.5mm" [mm] "QFP-48, 7mm x 7mm, 0.5mm"
  rect 1.2x0.3 smd mask+0.05: 1(-4.1,2.75) 2(-4.1,2.25) 3(-4.1,1.75) 4(-4.1,1.25) 5(-4.1,0.75) 6(-4.1,0.25) 7(-4.1,-0.25) 8(-4.1,-0.75) 9(-4.1,-1.25) 10(-4.1,-1.75) 11(-4.1,-2.25) 12(-4.1,-2.75) 25(4.1,-2.75) 26(4.1,-2.25) 27(4.1,-1.75) 28(4.1,-1.25) 29(4.1,-0.75) 30(4.1,-0.25) 31(4.1,0.25) 32(4.1,0.75) 33(4.1,1.25) 34(4.1,1.75) 35(4.1,2.25) 36(4.1,2.75)
  rect 0.3x1.2 smd mask+0.05: 13(-2.75,-4.1) 14(-2.25,-4.1) 15(-1.75,-4.1) 16(-1.25,-4.1) 17(-0.75,-4.1) 18(-0.25,-4.1) 19(0.25,-4.1) 20(0.75,-4.1) 21(1.25,-4.1) 22(1.75,-4.1) 23(2.25,-4.1) 24(2.75,-4.1) 37(2.75,4.1) 38(2.25,4.1) 39(1.75,4.1) 40(1.25,4.1) 41(0.75,4.1) 42(0.25,4.1) 43(-0.25,4.1) 44(-0.75,4.1) 45(-1.25,4.1) 46(-1.75,4.1) 47(-2.25,4.1) 48(-2.75,4.1)
  silkscreen extent -3.5,-3.5 3.5,3.5, body extent -4.5,-4.5 4.5,4.5, height 1.52
"QFP-100, 14mm x 14mm, 0.5mm" [mm] "QFP-100, 14mm x 14mm, 0.5mm"
  rect 1.2x0.3 smd mask+0.05: 1(-7.75,6) 2(-7.75,5.5) 3(-7.75,5) 4(-7.75,4.5) 5(-7.75,4) 6(-7.75,3.5) 7(-7.75,3) 8(-7.75,2.5) 9(-7.75,2) 10(-7.75,1.5) 11(-7.75,1) 12(-7.75,0.5) 13(-7.75,0) 14(-7.75,-0.5) 15(-7.75,-1) 16(-7.75,-1.5) 17(-7.75,-2) 18(-7.75,-2.5) 19(-7.75,-3) 20(-7.75,-3.5) 21(-7.75,-4) 22(-7.75,-4.5) 23(-7.75,-5) 24(-7.75,-5.5) 25(-7.75,-6) 51(7.75,-6) 52(7.75,-5.5) 53(7.75,-5) 54(7.75,-4.5) 55(7.75,-4) 56(7.75,-3.5) 57(7.75,-3) 58(7.75,-2.5) 59(7.75,-2) 60(7.75,-1.5) 61(7.75,-1) 62(7.75,-0.5) 63(7.75,0) 64(7.75,0.5) 65(7.75,1) 66(7.75,1.5) 67(7.75,2) 68(7.75,2.5) 69(7.75,3) 70(7.75,3.5) 71(7.75,4) 72(7.75,4.5) 73(7.75,5) 74(7.75,5.5) 75(7.75,6)
  rect 0.3x1.2 smd mask+0.05: 26(-6,-7.75) 27(-5.5,-7.75) 28(-5,-7.75) 29(-4.5,-7.75) 30(-4,-7.75) 31(-3.5,-7.75) 32(-3,-7.75) 33(-2.5,-7.75) 34(-2,-7.75) 35(-1.5,-7.75) 36(-1,-7.75) 37(-0.5,-7.75) 38(0,-7.75) 39(0.5,-7.75) 40(1,-7.75) 41(1.5,-7.75) 42(2,-7.75) 43(2.5,-7.75) 44(3,-7.75) 45(3.5,-7.75) 46(4,-7.75) 47(4.5,-7.75) 48(5,-7.75) 49(5.5,-7.75) 50(6,-7.75) 76(6,7.75) 77(5.5,7.75) 78(5,7.75) 79(4.5,7.75) 80(4,7.75) 81(3.5,7.75) 82(3,7.75) 83(2.5,7.75) 84(2,7.75) 85(1.5,7.75) 86(1,7.75) 87(0.5,7.75) 88(0,7.75) 89(-0.5,7.75) 90(-1,7.75) 91(-1.5,7.75) 92(-2,7.75) 93(-2.5,7.75) 94(-3,7.75) 95(-3.5,7.75) 96(-4,7.75) 97(-4.5,7.75) 98(-5,7.75) 99(-5.5,7.75) 100(-6,7.75)
  silkscreen extent -7.99,-7.99 7.99,7.99, body extent -8,-8 8,8, height 1.6